# Altium PCB ControlUnit.PcbDoc
Units mil, origin at the board's own origin, x right, y up, seen from the top; angles counter-clockwise.
Board outline 2376.17 x 1539.56 mil, 2 copper layers (Top1, Bottom4), stack 42.17 mil thick; 51 components, 64 nets, 299 pads, 161 vias.
Unrouted connection lines stored in the file: 28.
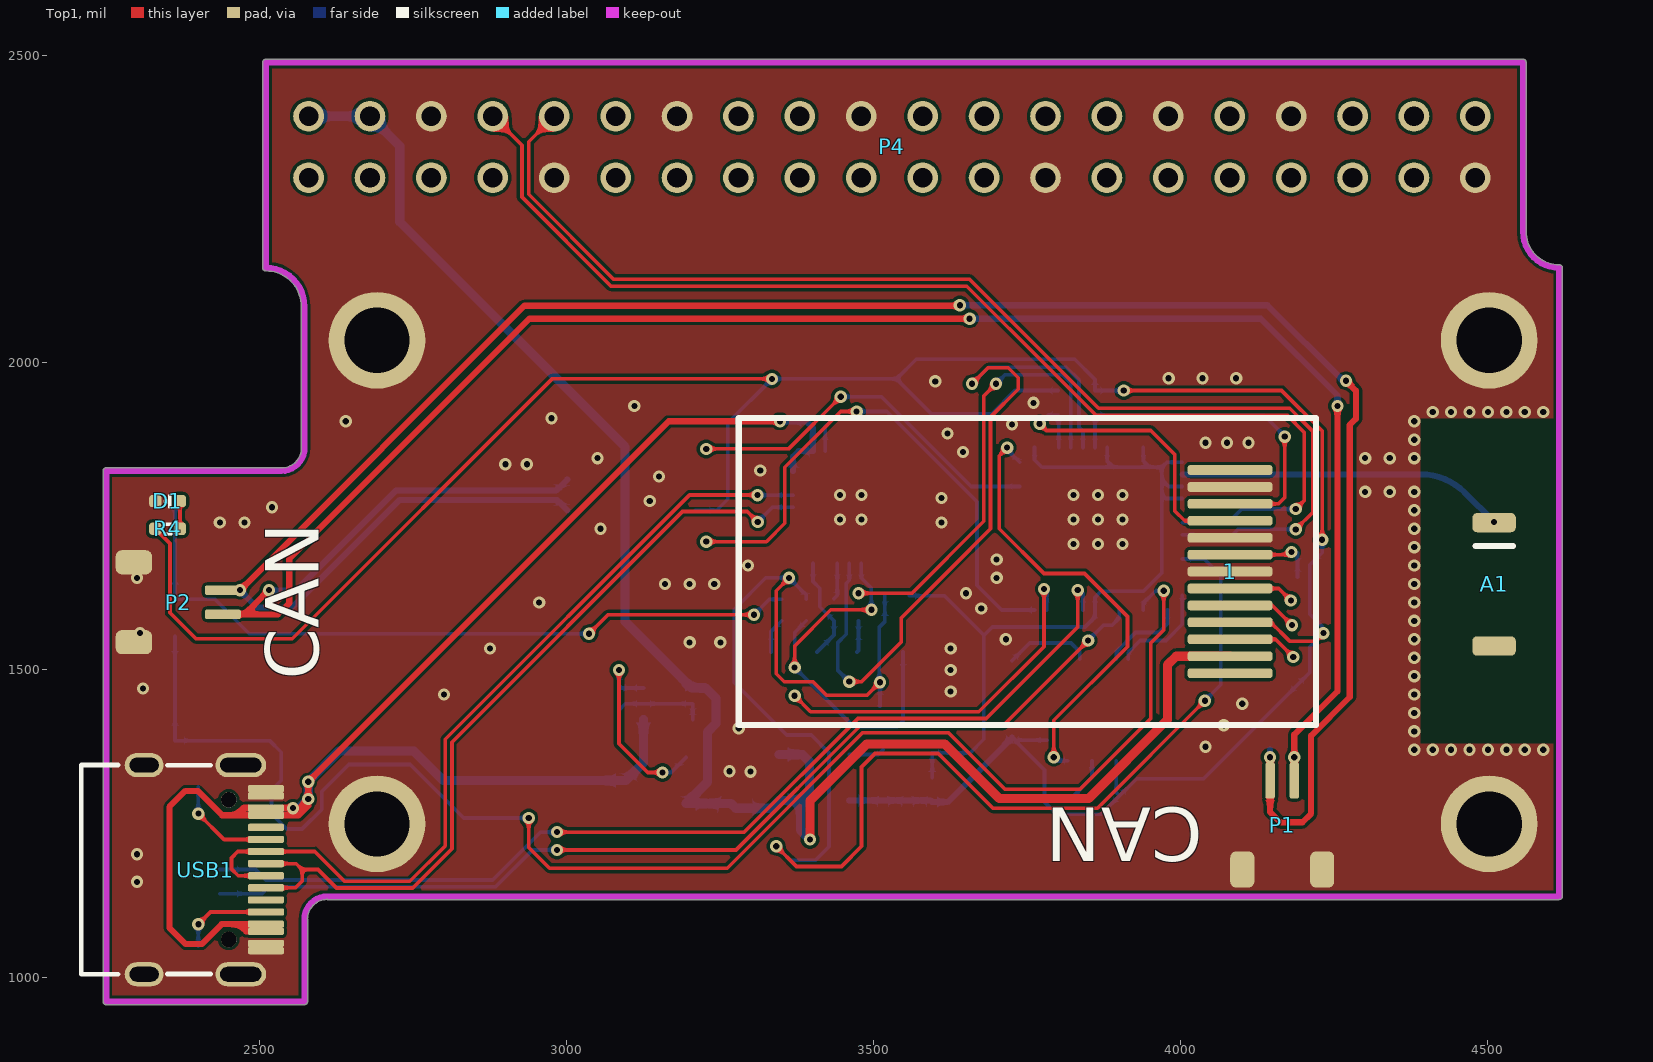
[diagram p0: Top1 view]
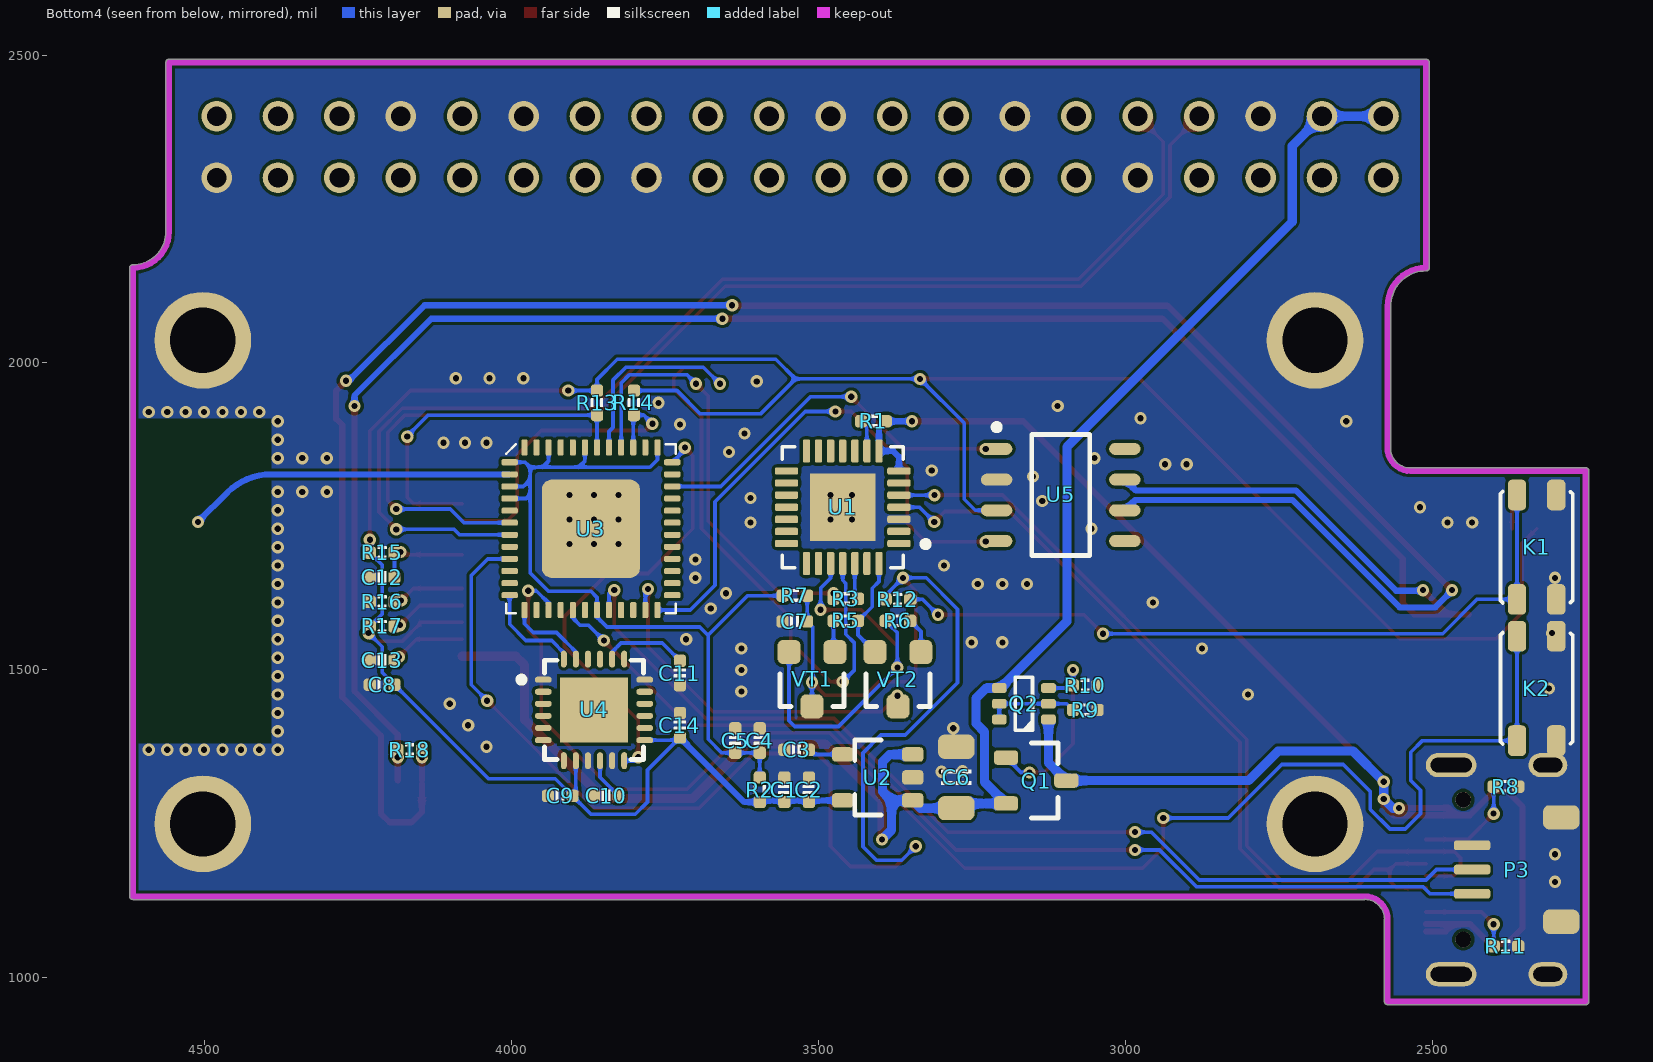
[diagram p1: Bottom4 view, seen from below]
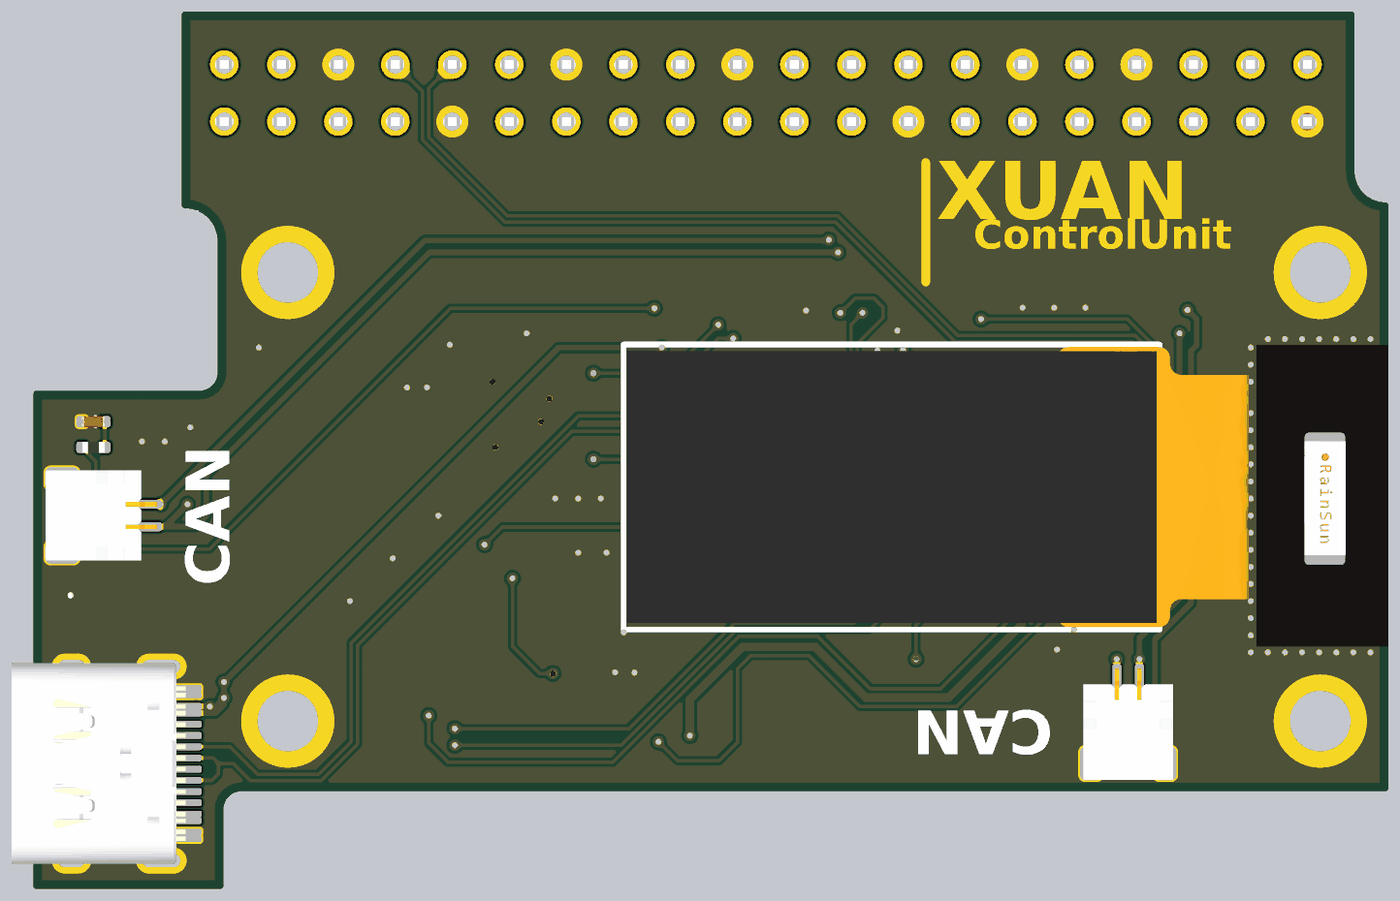
[diagram p2: 3D render of the assembled board from above, using the file's embedded part models]
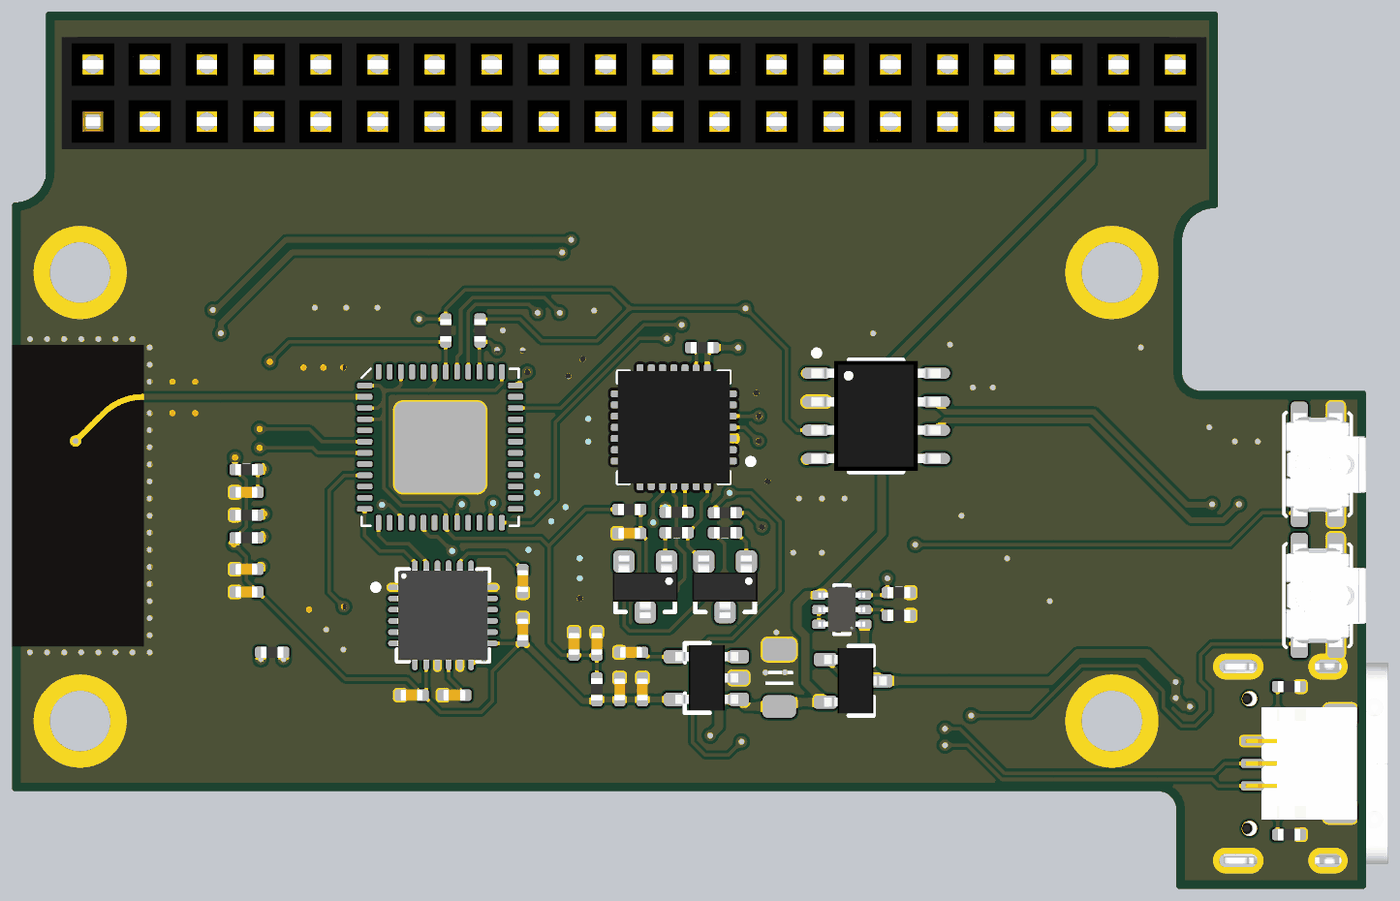
[diagram p3: 3D render of the assembled board from below, using the file's embedded part models]

## Layer stack, top to bottom
Top Solder: solder mask 0.4, Solder Resist, Dk 3.5
Top1: signal copper 1.4
Dielectric 2: core 39.37, PP-006, Dk 4.2
Bottom4: signal copper 1.4
Bottom Solder: solder mask 0.4, Solder Resist, Dk 3.5

## Board outline
2244.98,960 ccw(c2250,960) 2250,954.98 2572.83,954.98 ccw(c2572.83,960) 2577.85,960 2577.85,1094.03 ccw(c2572.83,1094.03) 2577.76,1094.98 cw(c2610.17,1093.93) 2609.11,1126.34 ccw(c2610.06,1131.26) 2610.06,1126.24 4616.14,1126.24 ccw(c4616.14,1131.26) 4621.16,1131.26 4621.16,2154.8 ccw(c4616.14,2154.8) 4616.14,2159.82 cw(c4616.14,2213.86) 4562.1,2213.86 4562.1,2489.53 ccw(c4557.09,2489.53) 4557.09,2494.54 2509.84,2494.54 ccw(c2509.84,2489.53) 2504.83,2489.53 2504.83,2154.88 ccw(c2509.84,2154.88) 2509.84,2149.87 cw(c2509.84,2091.89) 2567.82,2091.89 2567.82,1861.51 ccw(c2572.83,1861.51) 2567.91,1860.54 cw(c2535.5,1861.51) 2536.46,1829.09 ccw(c2535.5,1824.17) 2535.5,1829.19 2250,1829.19 ccw(c2250,1824.17) 2244.98,1824.17

## Design rules (kind name [scope] priority, off if disabled: settings)
Clearance [All] p1: gap=5 ignorepadtopadclearanceinfootprint=FALSE
ComponentClearance [All] p1: gap=0 collisioncheckmode=3 verticalgap=0 showdistances=FALSE
DiffPairsRouting [All] p1: maxlimit=9 minlimit=9 mostfreqgap=9 toplayer_minwidth=4 toplayer_maxwidth=4 toplayer_prefwidth=4 bottomlayer_minwidth=4 bottomlayer_maxwidth=4 bottomlayer_prefwidth=4 maxuncoupledlength=500
FanoutControl Fanout_BGA [All] p1: bgadir=Out bgaviamode=Centered fanoutstyle=Auto fanoutdirection=Alternating viagrid=1 // Fanout_BGA (Default Rule)
HoleSize [All] p1: absolutevalues=TRUE maxlimit=10000 minlimit=8 maxpercent=80.000 minpercent=20.000
MinimumSolderMaskSliver [All] p1 off: minsoldermaskwidth=2
PlaneClearance [All] p1: clearance=8
PlaneConnect [All] p1: planeconnectstyle=Direct reliefexpansion=20 reliefentries=4 reliefconductorwidth=10 reliefairgap=10
PolygonConnect [All] p1: connectstyle=Direct reliefconductorwidth=10 reliefentries=4 polygonreliefangle="90 Angle" airgapwidth=10
RoutingVias [All] p1: holewidth=8 width=16 viastyle="Through Hole" minholewidth=6 minwidth=12 maxholewidth=28 maxwidth=50
SilkToBoardRegionClearance [All] p1 off:
SilkToSilkClearance [All] p1: silktosilkclearance=0
SilkToSolderMaskClearance [IsPad] p1: minsilkscreentomaskgap=0 clearancetoexposedcopper=TRUE
SolderMaskExpansion [All] p1: expansion=3 istentingtop=FALSE
Width [All] p1: maxlimit=10000 minlimit=6 preferedwidth=6
20 further rules are at their usual default settings.

## Components (designator, comment, footprint, x,y, rotation, side; value= is the part's Value field where it differs from the comment)
1 "OLED-12880" OLED-12880 4080,1660.24 r0 top
A1 "RAINSUN" ANT-Rainsun-AN5120 4510,1640 r270 top
C1 "0.1uF" CAP_0402 3555,1305 r270 bottom value=0.1u
C2 "10uF" CAP_0402 3515,1305 r270 bottom value=0.1u
C3 "10nF" CAP_0402 3535,1370 r180 bottom value=0.1u
C4 "10uF" CAP_0402 3595,1385 r270 bottom value=0.1u
C5 "0.1uF" CAP_0402 3635,1385 r270 bottom value=0.1u
C6 "100uF" 1206-CAP 3275,1325 r270 bottom value=0.1u
C7 "1uF" CAP_0402 3538,1579 r0 bottom value=0.1u
C8 "10uF" CAP_0402 4210,1476 r180 bottom value=0.1u
C9 "10nF" CAP_0402 3920,1295 r0 bottom value=0.1u
C10 "0.1uF" CAP_0402 3845,1295 r0 bottom value=0.1u
C11 "2.2nF" CAP_0402 3725,1495 r90 bottom value=0.1u
C12 "10uF" CAP_0402 4210,1651 r180 bottom value=0.1u
C13 "10uF" CAP_0402 4210,1516 r180 bottom value=0.1u
C14 "0.1uF" CAP_0402 3725,1410 r270 bottom value=0.1u
D1 "color?" LED_0402_RED 2350,1775 r180 top
K1 "TACT 4P" ButtonTACT_3.5*3.55_90 2330,1700 r270 bottom locked value=3.4x3.5
K2 "TACT 4P" ButtonTACT_3.5*3.55_90 2330,1470 r270 bottom value=3.4x3.5
P1 "SH1.0-2P" SH1.0-2P 4165,1320 r0 top
P2 "SH1.0-2P" SH1.0-2P 2440,1610.31 r270 top
P3 "SH1.0-3P" SH1.0-3P 2435,1175 r90 bottom
P4 "HDR2x20_2.54" HDR2X20_2.54_180F 2579.53,2301.73 r90 top
Q1 "AO3415A" SOT23-3 3145,1320 r180 bottom
Q2 "BCM856BS" SOT363-6 3165,1445 r0 bottom
R1 "10K" RES_0402 3410,1905 r0 bottom value=22R
R2 "0R" RES_0402 3595,1305 r90 bottom value=22R
R3 "200R" RES_0402 3455,1616 r180 bottom value=22R
R4 "1K" RES_0402 2350,1730 r0 top value=22R
R5 "12K" RES_0402 3455,1580 r0 bottom value=22R
R6 "12K" RES_0402 3370,1580 r180 bottom value=22R
R7 "10K" RES_0402 3538,1621 r180 bottom value=22R
R8 "5.1K" RES_0402 2380,1310 r0 bottom value=22R
R9 "10K/1%" RES_0402 3065,1435 r0 bottom value=22R
R10 "10K/1%" RES_0402 3065,1475 r180 bottom value=22R
R11 "5.1K" RES_0402 2380,1050 r0 bottom value=22R
R12 "1K" RES_0402 3370,1615 r0 bottom value=22R
R13 "10K" RES_0402 3860,1935 r90 bottom value=22R
R14 "10K" RES_0402 3800,1935 r90 bottom value=22R
R15 "10K" RES_0402 4210,1691 r0 bottom value=22R
R16 "560K" RES_0402 4210,1611 r0 bottom value=22R
R17 "4.7K" RES_0402 4210,1571 r0 bottom value=22R
R18 "120R/NC" RES_0402 4165,1370 r180 bottom value=22R
U1 "CP2102" QFN-28 3460,1765 r0 bottom value=Value
U2 "LP2992 3V3" SOT23-5 3405,1325 r0 bottom
U3 "ESP32_SIP" QFN-48_7X7 3870,1730 r180 bottom
U4 "MPU6050" QFN-24 3865,1435 r180 bottom
U5 "SN65HVD232D" SO-8 3105,1785 r180 bottom
USB1 "Type-C" Type-C-TOP 2410.87,1174.8 r180 top
VT1 "S8050" SMT_TRIODE_NPN 3510,1485 r0 bottom
VT2 "S8050" SMT_TRIODE_NPN 3370,1485 r0 bottom

## Footprints (in the part's own frame and the unit in brackets; to place one, negate y for a bottom-side part, rotate by r counter-clockwise, add the part's x,y. Pads: shape width x height; smd on the part's side, far side on the other; paste and mask are expansions set on the pad)
1206-CAP [mm]
  rrect50% 1x1.5 smd: 1(-1.27,0) 2(1.27,0)
  silkscreen extent -0.3,-0.61 0.3,0.61, body extent -1.5,-0.75 1.5,0.75, height 1.5
ANT-Rainsun-AN5120 [mm] "选择焊盘"
  rrect50% 0.8x1.8 smd: 1(-2.54,0) ""(2.563,0)
  silkscreen extent -1.57,-0.76 -1.57,0.79, body extent -2.57,-0.91 2.54,0.94, height 1.32
ButtonTACT_3.5*3.55_90 [mil]
  rrect50% 50x30 smd: 1(-85,32) 2(-85,-32) 3(85,32) 4(85,-32)
  silkscreen extent -91,-59 91,59, body extent -90,-55 91,85, height 56
CAP_0402 [mil]
  rrect50% 20x20 smd: 1(-20,0) 2(20,0)
  silkscreen extent -7,-9 7,9, body extent -20,-10 20,10, height 20
HDR2X20_2.54_180F [mil]
  round 50 hole 32: 1(0,0) 2(100,0) 3(0,-100) 4(100,-100) 5(0,-200) 6(100,-200) 7(0,-300) 8(100,-300) 9(0,-400) 10(100,-400) 11(0,-500) 12(100,-500) 13(0,-600) 14(100,-600) 15(0,-700) 16(100,-700) 17(0,-800) 18(100,-800) 19(0,-900) 20(100,-900) 21(0,-1000) 22(100,-1000) 23(0,-1100) 24(100,-1100) 25(0,-1200) 26(100,-1200) 27(0,-1300) 28(100,-1300) 29(0,-1400) 30(100,-1400) 31(0,-1500) 32(100,-1500) 33(0,-1600) 34(100,-1600) 35(0,-1700) 36(100,-1700) 37(0,-1800) 38(100,-1800) 39(0,-1900) 40(100,-1900)
  body extent -48,-1955 148,55, height 87
LED_0402_RED [mil]
  rrect50% 20x20 smd: 1(-20,0) 2(20,0)
  silkscreen extent -6,-10 6,10, body extent -20,-10 20,10, height 18
OLED-12880 [mm]
  rrect50% 3.5x0.4 smd: 1(0,-4.2) 2(0,-3.5) 3(0,-2.8) 4(0,-2.1) 5(0,-1.4) 6(0,-0.7) 7(0,0) 8(0,0.7) 9(0,1.4) 10(0,2.1) 11(0,2.8) 12(0,3.5) 13(0,4.2)
  silkscreen extent -20.32,-6.35 3.56,6.35, body extent -20.18,-6.25 7.54,6.25, height 1.55
QFN-24 [mm] "QFN, 24-Leads, Body 4.1x4.1mm (max), Pitch 0.50mm, IPC Low Density"
  oval 0.7x0.25 smd: 1(-2.1,1.25) 2(-2.1,0.75) 3(-2.1,0.25) 4(-2.1,-0.25) 5(-2.1,-0.75) 6(-2.1,-1.25) 13(2.1,-1.25) 14(2.1,-0.75) 15(2.1,-0.25) 16(2.1,0.25) 17(2.1,0.75) 18(2.1,1.25)
  oval 0.25x0.7 smd: 7(-1.25,-2.1) 8(-0.75,-2.1) 9(-0.25,-2.1) 10(0.25,-2.1) 11(0.75,-2.1) 12(1.25,-2.1) 19(1.25,2.1) 20(0.75,2.1) 21(0.25,2.1) 22(-0.25,2.1) 23(-0.75,2.1) 24(-1.25,2.1)
  rect 2.8x2.7 smd: ""(0,0)
  silkscreen extent -3.13,-2.05 2.05,2.05, body extent -2.02,-2.02 2.02,2.02, height 0.95
QFN-28 [mil]
  rrect50% 38x12 smd mask+5: 1(-91.5,59.06) 2(-91.5,39.37) 3(-91.5,19.68) 4(-91.5,0) 5(-91.5,-19.69) 6(-91.5,-39.37) 7(-91.5,-59.06) 15(91.5,-59.06) 16(91.5,-39.37) 17(91.5,-19.69) 18(91.5,0) 19(91.5,19.68) 20(91.5,39.37) 21(91.5,59.06)
  rrect50% 12x38 smd mask+5: 8(-59.06,-91.5) 9(-39.37,-91.5) 10(-19.69,-91.5) 11(0,-91.5) 12(19.68,-91.5) 13(39.37,-91.5) 14(59.06,-91.5) 22(59.06,91.5) 23(39.37,91.5) 24(19.68,91.5) 25(0,91.5) 26(-19.69,91.5) 27(-39.37,91.5) 28(-59.06,91.5)
  rect 106.3x110.24 smd: 29(0,0)
  silkscreen extent -140,-98 98,98, body extent -99,-99 98,98, height 35
QFN-48_7X7 [mm]
  rrect50% 0.675x0.25 smd: 1(-3.363,2.75) 2(-3.363,2.25) 3(-3.363,1.75) 4(-3.363,1.25) 5(-3.363,0.75) 6(-3.363,0.25) 7(-3.363,-0.25) 8(-3.363,-0.75) 9(-3.363,-1.25) 10(-3.363,-1.75) 11(-3.363,-2.25) 12(-3.363,-2.75) 25(3.363,-2.75) 26(3.363,-2.25) 27(3.363,-1.75) 28(3.363,-1.25) 29(3.363,-0.75) 30(3.363,-0.25) 31(3.363,0.25) 32(3.363,0.75) 33(3.363,1.25) 34(3.363,1.75) 35(3.363,2.25) 36(3.363,2.75)
  rrect50% 0.25x0.675 smd: 13(-2.75,-3.363) 14(-2.25,-3.363) 15(-1.75,-3.363) 16(-1.25,-3.363) 17(-0.75,-3.363) 18(-0.25,-3.363) 19(0.25,-3.363) 20(0.75,-3.363) 21(1.25,-3.363) 22(1.75,-3.363) 23(2.25,-3.363) 24(2.75,-3.363) 37(2.75,3.363) 38(2.25,3.363) 39(1.75,3.363) 40(1.25,3.363) 41(0.75,3.363) 42(0.25,3.363) 43(-0.25,3.363) 44(-0.75,3.363) 45(-1.25,3.363) 46(-1.75,3.363) 47(-2.25,3.363) 48(-2.75,3.363)
  rrect20% 4.064x4.064 smd: 49(0,0)
  silkscreen extent -3.5,-3.5 3.5,3.5, body extent -3.5,-3.5 3.5,3.5, height 1
RES_0402 [mil]
  rrect50% 20x20 smd: 1(-20,0) 2(20,0)
  silkscreen extent -6,-10 6,10, body extent -20,-10 20,10, height 14
SH1.0-2P [mm]
  rrect50% 0.4x1.5 smd: 1(-0.5,0) 2(0.5,0)
  rrect50% 1x1.5 smd: SH1(-1.651,-3.683) SH2(1.651,-3.683)
  body extent -2,-4.42 2,0.54, height 3.06
SH1.0-3P [mm]
  rrect50% 0.4x1.5 smd: 1(-1,0) 2(0,0) 3(1,0)
  rrect50% 1x1.5 smd: SH1(-2.159,-3.683) SH2(2.159,-3.683)
  body extent -2.5,-4.42 2.5,0.54, height 3.06
SMT_TRIODE_NPN [mm] "Surface mount NPN transistor, package SOT-23"
  rrect50% 0.95x1 smd: 1(-0.95,-1.125) 2(0.95,-1.125) 3(0,1.125)
  silkscreen extent -1.33,-0.22 1.32,1.13, body extent -1.45,-1.4 1.45,1.4, height 1.3
SO-8 [mm]
  oval 1.3x0.5 smd: 1(-2.65,1.905) 2(-2.65,0.635) 3(-2.65,-0.635) 4(-2.65,-1.905) 5(2.65,-1.905) 6(2.65,-0.635) 7(2.65,0.635) 8(2.65,1.905)
  silkscreen extent -2.78,-2.5 1.2,2.93, body extent -2.89,-2.44 2.89,2.46, height 1.45
SOT23-3 [mm] "SOT23, 3-Leads, Body 3.1x3.0mm (max), Pitch 0.95mm, IPC Medium Density"
  rrect50% 1x0.6 smd: 1(-1.246,0.95) 2(-1.246,-0.95) 3(1.246,0)
  silkscreen extent -0.2,-1.55 0.9,1.55, body extent -1.3,-1.45 1.5,1.45, height 1.2
SOT23-5 [mm] "SOT23, 3-Leads, Body 3.1x3.0mm (max), Pitch 0.95mm, IPC Medium Density"
  rrect50% 0.889x0.6 smd: 1(-1.5,0.95) 2(-1.5,0) 3(-1.5,-0.95) 4(1.396,-0.95) 5(1.396,0.95)
  silkscreen extent -0.2,-1.55 0.9,1.55, body extent -1.48,-1.45 1.32,1.45, height 1.2
SOT363-6 [mil]
  rrect50% 24x16 smd: 1(-40,25.59) 2(-40,0) 3(-40,-25.59) 4(40,-25.59) 5(40,0) 6(40,25.59)
  silkscreen extent -14,-43 14,43, body extent -41,-39 41,39, height 37
Type-C-TOP [mm]
  round 0.65 hole 0.65: 0(-0.98,2.89) 0(-0.98,-2.89)
  oval 1.6x1 hole 0.6 slot 1.2 at 0 deg: 1(2.52,4.325) 2(2.52,-4.325)
  oval 2.1x1 hole 0.6 slot 1.7 at 0 deg: 3(-1.48,-4.325) 4(-1.48,4.325)
  rrect50% 1.5x0.3 smd: A1(-2.52,-3.35) A4(-2.52,-2.55) A5(-2.52,-1.25) A6(-2.52,-0.25) A7(-2.52,0.25) A8(-2.52,1.25) A9(-2.52,2.55) A12(-2.52,3.35) B1(-2.52,3.05) B4(-2.52,2.25) B5(-2.52,1.75) B6(-2.52,0.75) B7(-2.52,-0.75) B8(-2.52,-1.75) B9(-2.52,-2.25) B12(-2.52,-3.05)
  silkscreen extent -0.22,-4.33 5.12,4.33, body extent -2.57,-4.48 5.18,4.47, height 3.26

## Part data
A1: library part ANT-Rainsun-AP5120
C1 C2 C3 C4 C5 C7 C8 C9 C10 C11 C12 C13 C14: library part 电容-0402, "Capacitor"
C6: library part 电容-1206, "Capacitor"
D1: library part LED_0402, "LED", Type=0402
K1 K2: library part ButtonTACT, "Button", Type="TACT 4P"
P3 P4: "Header"
Q1: "MOSFET", LatestRevisionDate=17-Jul-2002, LatestRevisionNote="Re-released for DXP Platform.", PackageDescription="TO, Flat Index; 3 In-Line, Axial Leads; Body Dia. 4.6mm; Lead Dia. 0.5 mm (max)", PackageReference=E3, PackageVersion=1995/1996, Published=8-Jun-2000, Publisher="Altium Limited"
Q2: "Transistor"
R1 R2 R3 R4 R5 R6 R7 R8 R9 R10 R11 R12 R13 R14 R15 R16 R17 R18: library part 电阻-0402, "Resistor"
U1: "USB转TTL", MFG #1="SILICON LABS", PART DESC="SINGLE-CHIP USB TO UART BRIDGE, QFN28, RoHS.", PART NUMBER=CP2102, RefDes=RefDes, Type=DEV
U2: library part LP2992, "LDO"
U3: library part ESP32-PICO
U4: "六轴传感器"
U5: Manufacturer="Texas Instruments", Manufacturer Part Number=SN65HVD232DR, Operating Temperature="-40°C ~ 85°C", Package / Case="8-SOIC (0.154\", 3.90mm Width)", Supplier Device Package=8-SOIC, Supplier Part Number 1=296-26344-2-ND, Voltage - Supply="3 V ~ 3.6 V", Category="Integrated Circuits (ICs)", ComponentLink1Description=http://www.ti.com/lit/ds/symlink/sn65hvd230.pdf, ComponentLink1URL=http://www.ti.com/lit/ds/symlink/sn65hvd230.pdf, Data Rate=1Mbps, Duplex=Half, Mounting Type="Surface Mount", Number of Drivers/Receivers=1/1, Packaging="Tape & Reel (TR)", Part Status=Active, Pricing 1="2500=0.84375 (USD)", Pricing 2="1=2.05, 10=1.842, 100=1.4809, 500=1.21668, 1000=1.00811 (USD)", Protocol=CAN, RoHS="RoHS Compliant", Stock=5000, Supplier 1=Digi-Key, Supplier 2=Digi-Key, Supplier Part Number 2=296-26344-1-ND, Type=Transceiver
USB1: library part USB-Type-C-TOP
VT1 VT2: library part SMT_TRIODE_NPN, "Surface mount NPN transistor, package SOT-23"

## Free pads (board coordinates)
  round 157.48 hole 106.3: ""(2690.94,1249.37) ""(2690.94,2036.77) ""(4501.97,1249.37) ""(4501.97,2036.77)

## Via types
v1: diameter 20, hole 10, Top1 to Bottom4, tented both sides, 161 vias

## Nets (pads, with @x,y where several pads share a name; then routed paths per layer and width w, separated by ;. In a path a pad name is that pad's centre, name@x,y a point inside that pad or via, vN(x,y) a via of type N, cw(c..) or ccw(c..) an arc to the next point about the centre after c; other vN are vias at no path point)
3V3A: C4.2 C5.2 R2.2 R7.1 U3.1 U3.3 U3.4 U3.19 U3.37 U3.43 U3.46 | length 1389.9
  Bottom4 w6: R7.1 3615,1621 3679.5,1556.5 ; R2.2 C4.2 C5.2 3657,1365 3679,1387 3679,1556 3693,1570 3844,1570 3860.16,1586.16 U3.19 3860.16,1618.16 3870,1628 3939,1628 3969,1658 3969,1786 ; U3.37 3761.73,1842.27 3774,1830 3890,1830 ; U3.43 3879.84,1840.16 3890,1830 ; U3.46 3938.9,1840.1 3949,1830 ; U3.4 3975.79,1779.21 3969,1786 ; U3.3 3980.1,1798.9 3969,1810 ; U3.1 3977.27,1838.27 3969,1830 ; 3890,1830 3949,1830 ; 3949,1830 3969,1830 ; 3969,1786 3969,1810 ; 3969,1810 3969,1830
CAN_H: P1.2 P2.2 R18.1 U5.7 | length 3402.9
  Top1 w10: P2.2 2475.63,1590.63 ; v1(2515,1630) 2475.63,1590.63 ; v1(3656,2072) 2939,2072 2548,1681 2548,1609 2529.63,1590.63 2475.63,1590.63 ; P1.2 v1(4184.69,1358) ; v1@4184.69,1353 4184.69,1394.69 4255,1465 v1(4255,1930)
  Bottom4 w10: v1(2515,1630) 2516,1629 2558.79,1629 2721.79,1792 2982.67,1792 U5.7 ; v1(3656,2072) 4130,2072 4255,1947 v1(4255,1930) ; v1@4184.69,1353 R18.1@4184.69,1369.69
CAN_L: P1.1 P2.1 R18.2 U5.6 | length 3591.2
  Top1 w10: v1(2468,1630) 2931,2093 3639,2093 v1(3640,2094) ; v1(4145,1358) 4145.31,1357.69 P1.1 ; P1.1@4145.31,1315 4145.31,1268.69 4162,1252 4198,1252 4212,1266 4212,1393 4275,1456 4275,1899 4285,1909 4285,1955 v1(4269,1971)
  Bottom4 w10: v1(2468,1630) 2468,1629 2495,1602 2553,1602 2728,1777 2983.67,1777 U5.6 ; v1(3640,2094) 4141,2094 4264,1971 v1(4269,1971) ; v1@4145,1353 R18.2
CAN_Rx: U3.24 U5.4 | length 889.5
  Top1 w6: v1(3227,1709) 3325,1709 3355,1739 3355,1830 3446,1921 v1(3472,1921)
  Bottom4 w6: v1(3472,1921) 3521,1921 3668,1774 3668,1638 3708.38,1597.62 U3.24
CAN_Tx: U3.34 U5.1 | length 606.3
  Top1 w6: v1(3227,1860) 3361,1860 v1(3446,1945)
  Bottom4 w6: v1(3446,1945) 3512.56,1945 3658.66,1798.9 U3.34
CP_Rx: U1.25 U3.41 | length 1227.4
  Top1 w6: v1(3460,1481) 3480,1481 3544.5,1545.5 3544.5,1584.5 3623,1663 3690,1730 3690,1912 3735,1957 3735,1976 3719,1992 3686,1992 v1(3660,1966)
  Bottom4 w6: v1(3460,1481) 3441,1500 3441,1544 3455,1558 3455,1641 3460,1646 U1.25 ; v1(3660,1966) 3687,1993 3813,1993 3834,1972 3834,1895 3840.47,1888.53 U3.41
CP_Tx: R3.1 U3.40 | length 723.3
  Top1 w6: v1(3475,1625) 3562,1625 3679,1742 3679,1946 v1(3699,1966)
  Bottom4 w6: v1(3699,1966) 3714,1981 3807,1981 3820.79,1967.21 U3.40
Ctrl_Rx: P3.1 U3.17 | length 1663.6
  Top1 w6: v1(2984,1207) 3275.56,1207 3478.56,1410 3711,1410 v1(3849,1548)
  Bottom4 w6: P3.1 2503.63,1135.63 2515,1147 2884,1147 2944,1207 v1(2984,1207) ; v1(3849,1548) 3874,1573 3888,1573 3899.53,1584.53 U3.17
Ctrl_Tx: P3.2 U3.20 | length 1672.3
  Top1 w6: v1(2984,1236) 3289,1236 3474,1421 3683,1421 3832,1570 v1(3832,1630)
  Bottom4 w6: P3.2 2493,1175 2510,1158 2879.44,1158 2957.44,1236 v1(2984,1236) ; v1(3832,1630) 3835,1630 3840.47,1624.53 U3.20
DTR: R5.1 U1.28 VT2.2 | length 169.7
  Bottom4 w6: U1.28 3400.94,1644.06 3412,1633 3412,1603 R5.1 3435,1556.89 VT2.2
EN: C7.1 R7.2 R12.2 U3.9 VT1.3 | length 2539.2
  Top1 w6: v1(3341,1213) 3374,1180 3447.23,1180 3480,1212.77 3480,1342 3502,1364 3605,1364 3694,1275 3864,1275 v1(4039,1450) ; v1(3362,1650) 3341,1629 3341,1494 3354,1481 3401,1481 3423,1459 3489,1459 v1(3510,1480)
  Bottom4 w6: v1(3341,1213) 3364,1190 3405,1190 3427,1212 3427,1365 3398,1394 3358,1394 3273,1479 3273,1599 3324,1650 v1(3362,1650) 3390,1622 R12.2 ; VT1.3 3509,1441.71 3510,1442.71 v1(3510,1480) 3509,1481 3509,1570 C7.1 R7.2 ; U3.9 4038.21,1680.79 4065,1654 4065,1476 v1(4039,1450)
FLASH_CLK: U3.31
FLASH_CS: U3.25
FLASH_SD0: U3.27
FLASH_SD1: U3.33
FLASH_SD2: U3.30
FLASH_SD3: U3.32
GND: 1.7 1.9 1.12 C1.1 C2.1 C3.1 C4.1 C5.1 C6.1 C7.2 C8.1 C9.2 C10.2 C11.1 C12.1 C13.1 C14.1 D1.2 K1.1 K1.3 K2.1 K2.3 P1.SH1 P1.SH2 P2.SH1 P2.SH2 P3.3 P3.SH1 P3.SH2 P4.6 P4.9 P4.14 P4.20 P4.25 P4.30 P4.34 P4.39 pad. R8.1 R9.1 R10.2 R11.1 R16.2 U1.3 U1.29 U2.2 U3.49 U4.1 U4.9 U4.11 U4.18 U5.2 USB1.1 USB1.2 USB1.3 USB1.4 USB1.A1 USB1.A12 USB1.B1 USB1.B12
  other v1: 2300,1155 2300,1200 3299,1334.5 3265,1335 4380,1370 4410,1370 4440,1370 4470,1370 4500,1370 4530,1370 4560,1370 4590,1370 4040,1375 4380,1400 3280,1405 4070,1410 4380,1430 4100,1445 2800,1460 4380,1460 3625,1465 2310,1470 4380,1490 3625,1500 4380,1520 2875,1535 3625,1535 3200,1545 3250,1545 3715,1550 4380,1550 2305,1560 4380,1580 3675,1600 2955,1610 4380,1610 3650,1625 3160,1640 3200,1640 3240,1640 4380,1640 2300,1650 3700,1650 3295,1670 4380,1670 3700,1680 4380,1700 3825,1705 3865,1705 3905,1705 3055,1730 4380,1730 2435,1740 2475,1740 3610,1740 3445,1745 3480,1745 3825,1745 3865,1745 3905,1745 4380,1760 2520,1765 3135,1775 3610,1780 3445,1785 3480,1785 3825,1785 3865,1785 3905,1785 4300,1790 4340,1790 4380,1790 3150,1815 3315,1825 2900,1835 2935,1835 3050,1845 4300,1845 4340,1845 4380,1845 3645,1855 4040,1870 4075,1870 4110,1870 4380,1875 3620,1885 3725,1900 2640,1905 4380,1905 2975,1910 4410,1920 4440,1920 4470,1920 4500,1920 4530,1920 4560,1920 4590,1920 3110,1930 3760,1935 3600,1970 3980,1975 4035,1975 4090,1975
GPIO0: U3.23 VT2.3 | length 590.9
  Top1 w6: v1(3371,1458) 3397,1432 3671,1432 3777,1538 v1(3777,1632)
  Bottom4 w6: v1(3777,1632) 3781.42,1627.58 U3.23
GPIO2: U3.22
GPIO9: U3.28
GPIO10: U3.29
GPIO12: U3.18
GPIO15: U3.21
GPIO18: U3.35
GPIO19: U3.38
GPIO21: 1.11 R13.1 U3.42 | length 568.9
  Top1 w6: 1.11 4158.47,1770.47 4169,1781 v1(4169,1880)
  Bottom4 w6: R13.1 4135,1915 4169,1881 v1(4169,1880) ; U3.42 R13.1@3860.16,1914.84
GPIO22: 1.10 R14.1 U3.39 | length 518.2
  Top1 w6: v1(3770,1901) 3781,1890 3951,1890 3990,1851 3990,1759 4006.09,1742.91 1.10
  Bottom4 w6: v1(3770,1901) 3784,1915 R14.1 3801.1,1913.9 U3.39
GPIO23: U3.36 U4.12 | length 741.7
  Top1 w6: v1(3717,1862) 3704,1849 3704,1730 3777,1657 3843,1657 3913,1587 3913,1538 3793,1418 v1(3793,1358)
  Bottom4 w6: v1(3717,1862) 3717,1858.89 U3.36 ; v1(3793,1358) 3798.68,1352.32 U4.12
GPIO25: U3.14
GPIO26: K2.2 K2.4 U3.15 | length 2505.1
  Top1 w6: v1(2938,1259) 2938,1211 2972,1177 3261.11,1177 3482.11,1398 3621,1398 3713,1306 3836,1306 3951,1421 3951,1544 3972,1565 v1(3972,1629)
  Bottom4 w6: K2.2 K2.4 2516,1385 2535,1366 2535,1320 2519,1304 2519,1266 2544,1241 2569,1241 2601,1273 2601,1302 2645,1346 2745,1346 2832,1259 v1(2938,1259) ; U3.15 3938.9,1608.9 3959,1629 v1(3972,1629)
GPIO27: U3.16
GPIO32: U3.12 U4.24 | length 165.2
  Bottom4 w6: U4.24 3914.21,1528.21 3934,1548 3976,1548 4002.38,1574.38 U3.12
GPIO33: U3.13 U4.23 | length 136.9
  Bottom4 w6: U4.23 3894.53,1529.53 3926,1561 3964,1561 3978.27,1575.27 U3.13
GPIO34: U3.10
GPIO35: U3.11
GPIO37: P4.8 U3.6 | length 1908.6
  Top1 w6: P4.8 2927,2354.26 2927,2270 3072,2125 3651.44,2125 3788,1988.44 3861.44,1915 4172.89,1915 4201,1886.89 4201,1776 v1(4187,1762)
  Bottom4 w6: U3.6 4076.84,1739.84 4099,1762 v1(4187,1762)
GPIO38: P4.10 U3.7 | length 1940.6
  Top1 w6: P4.10 2938,2360.2 2938,2274.56 3076.56,2136 3656,2136 3866,1926 4177.44,1926 4215,1888.44 4215,1757 v1(4187,1729)
  Bottom4 w6: U3.7 4084.16,1720.16 4093,1729 v1(4187,1729)
Net1_3: 1.3 C13.2 | length 115
  Top1 w6: 1.3 4154,1550 v1(4183,1521)
Net1_5: 1.5 R17.1 | length 114.3
  Top1 w6: 1.5 4148.88,1605.12 v1(4181,1573)
Net1_6: 1.6 R16.1 | length 107.2
  Top1 w6: 1.6 4159.32,1632.68 v1(4179,1613)
Net1_8: 1.8 C12.2 R15.1 | length 141.7
  Top1 w6: 1.8 4175.8,1687.8 v1(4180,1692)
  Bottom4 w6: C12.2 R15.1
NetA1_1: A1.1 U3.2 | length 535.5
  Bottom4 w10: U3.2 4391,1818.58 cw(c4391,1718.58) 4461.71,1789.29 v1(4510,1741)
NetC3_2: C3.2 U2.4 | length 58.2
  Bottom4 w6: U2.4 3507.4,1362.4 C3.2
NetC10_1: C10.1 U4.10 | length 69.8
  Bottom4 w6: C10.1 3855.16,1325.16 U4.10
NetC11_2: C11.2 U4.20 | length 140.3
  Bottom4 w6: C11.2 3754,1544 3821,1544 3835.47,1529.53 U4.20
NetD1_1: D1.1 R4.2 | length 45
  Top1 w6: R4.2 D1.1
NetK1_2: K1.2 K1.4 R12.1 | length 1204.4
  Top1 w6: v1(3036,1559) 3067,1590 v1(3305,1590)
  Bottom4 w6: K1.2 K1.4 2427,1615 2483,1559 v1(3036,1559) ; v1(3305,1590) 3330,1615 R12.1
NetQ1_1: Q1.1 Q2.3 R10.1 | length 325.5
  Top1 w6: v1(3085,1500) 3085,1380 3132,1333 v1(3156,1333)
  Bottom4 w6: v1(3085,1500) R10.1 3089.41,1470.59 Q2.3 ; v1(3156,1333) 3169.65,1333 Q1.1
NetQ2_2: Q2.2 Q2.5 Q2.6 R9.2 | length 149.7
  Bottom4 w6: R9.2 3095,1445 Q2.2 Q2.5 Q2.6
NetR1_2: R1.2 U1.9 | length 52.4
  Bottom4 w6: U1.9 3420.63,1895.63 R1.2
NetR3_2: R3.2 U1.26 | length 59.7
  Bottom4 w6: R3.2 3440.31,1621.32 U1.26
NetR5_2: R5.2 VT1.1 | length 51.7
  Bottom4 w6: VT1.1 3475,1531.69 R5.2
NetR6_2: R6.2 VT2.1 | length 57.9
  Bottom4 w6: VT2.1 3332.6,1562.6 R6.2
NetR8_2: R8.2 USB1.A5 | length 171.5
  Top1 w6: v1(2400,1266) 2441.98,1224.02 USB1.A5
  Bottom4 w6: v1(2400,1266) R8.2
NetR11_2: R11.2 USB1.B5 | length 154.3
  Top1 w6: v1(2400,1086) 2419.91,1105.91 USB1.B5
  Bottom4 w6: R11.2 v1(2400,1086)
RTS: R6.1 U1.24 VT1.2 | length 682.5
  Top1 w6: v1(3371,1504) 3371,1539 3430,1598 v1(3496,1598)
  Bottom4 w6: R6.1 3371,1561 v1(3371,1504) 3467,1408 3538,1408 3547.4,1417.4 VT1.2 ; U1.24 3479.69,1649.32 3496,1633 v1(3496,1598)
SENSOR_VN: U3.8
SENSOR_VP: U3.5
USB-PWR-DM: U1.5 USB1.A7 USB1.B7 | length 1378.9
  Top1 w6: USB1.A7 2465.04,1164.96 2454,1176 2454,1194 2464.33,1204.33 USB1.B7 2589.67,1204.33 2638,1156 2744.44,1156 2802,1213.56 2802,1387 3200,1785 v1@3310,1785
  Bottom4 w6: v1(3310.69,1784.69) U1.5
USB-PWR-DP: U1.4 USB1.A6 USB1.B6 | length 1329.7
  Top1 w6: USB1.B6 2558.28,1145.28 2569,1156 2569,1175 ; USB1.A6 2559.35,1184.65 2569,1175 ; v1(3311,1741) 3294,1758 3188.56,1758 2813,1382.44 2813,1209 2749,1145 2625,1145 2595,1175 2569,1175
  Bottom4 w6: v1(3311,1741) 3335,1765 U1.4
VBUS: Q1.3 Q2.1 R1.1 U1.7 U1.8 USB1.A4 USB1.A9 USB1.B4 USB1.B9 | length 2749.5
  Top1 w10: USB1.A9 2477.81,1074.41 2466,1086.22 ; USB1.B4 2466,1086.22 ; v1(3347,1905) 3166,1905 v1(2579,1318) v1(2579,1290) ; 2461.39,1263.39 2473.2,1275.2 USB1.A4 2564.2,1275.2 v1(2579,1290) ; 2461.39,1263.39 2438.61,1263.39 2399,1303 2379,1303 2353,1277 2353,1080 2379,1054 2406,1054 2438.22,1086.22 2466,1086.22 ; 2461.39,1263.39 USB1.B9 2563.39,1263.39 2579,1279 v1(2579,1290)
  Bottom4 w10: v1(3347,1905) R1.1 3400.94,1894.06 U1.8 3377.5,1856.5 3368.5,1847.5 U1.7
  Bottom4 w15: v1(2554,1275) 2564,1275 v1(2579,1290) v1(2579,1318) 2629,1368 2751,1368 2799,1320 Q1.3 3125,1349.06 Q2.1
VCC_3V3: 1.4 C1.2 C2.2 C8.2 C9.1 C14.2 R2.1 R4.1 R13.2 R14.2 R15.2 R17.2 U2.5 U4.8 U4.13 U5.3 | length 4539.1
  Top1 w6: R4.1 2354,1706 2354,1593 2396,1551 2553,1551 2976,1974 v1(3334,1974) ; v1(3907,1955) 4164,1955 4230,1889 v1(4230,1712) ; 1.4 4146.44,1577.56 4177,1547 4219,1547 v1(4232,1560)
  Bottom4 w6: U5.3 3244,1760 3262,1778 3262,1902 v1(3334,1974) 3537,1974 ; C14.2 C14.2@3729.21,1385.79 ; U4.13 C14.2@3729.21,1385.79 ; R14.2 3730,1955 3692,1917 3594,1917 3537,1974 ; U4.8 3894.53,1300.47 C9.1 ; v1(3907,1955) R13.2 3860,1973 3827,2006 3569,2006 3537,1974 ; R17.2 4210,1591 4210,1671 R15.2 v1(4230,1712) ; v1(4232,1560) 4210,1538 4210,1496 C8.2 4037,1323 3928,1323 C9.1 ; C14.2@3729.21,1385.79 3778,1337 3778,1285 3798,1265 3870,1265 C9.1
  Bottom4 w10: U2.5 3592.4,1287.6 R2.1 3620,1285 C14.2
VCC_5V: 1.2 C6.2 P4.2 P4.4 Q1.2 Q2.4 U2.1 U2.3 | length 2844.7
  Top1 w15: v1(3396,1224) 3396,1287 3488.5,1379.5 3615.5,1379.5 3704.5,1290.5 3849.58,1290.5 3978,1418.92 3978,1508 3992.44,1522.44 1.2
  Bottom4 w15: P4.2 P4.4 2728,2353.26 2728,2230 3095,1863 3095,1579 3203.41,1470.59 Q2.4 3226.41,1470.59 3243,1454 3243,1413 3229,1399 3229,1317.54 Q1.2 3267.4,1282.6 C6.2 3333.34,1275 U2.1 3380.6,1287.6 ; U2.3 3383.6,1362.4 3395,1351 3395,1302 3380.6,1287.6 ; v1(3396,1224) 3380.6,1239.4 3380.6,1287.6
pads on no net: 1.1 1.13 A1. P4.1 P4.3 P4.5 P4.7 P4.11 P4.12 P4.13 P4.15 P4.16 P4.17 P4.18 P4.19 P4.21 P4.22 P4.23 P4.24 P4.26 P4.27 P4.28 P4.29 P4.31 P4.32 P4.33 P4.35 P4.36 P4.37 P4.38 P4.40 U1.1 U1.2 U1.6 U1.10 U1.11 U1.12 U1.13 U1.14 U1.15 U1.16 U1.17 U1.18 U1.19 U1.20 U1.21 U1.22 U1.23 U1.27 U3.26 U3.44 U3.45 U3.47 U3.48 U4. U4.2 U4.3 U4.4 U4.5 U4.6 U4.7 U4.14 U4.15 U4.16 U4.17 U4.19 U4.21 U4.22 U5.5 U5.8 USB1.0 USB1.A8 USB1.B8

## Polygon pours and split planes (outlines as drawn)
GND on Bottom4 "GND_L02_P000" (solid, remove dead copper, pour order 0): 2210,2525 4660,2525 4660,925 2210,925
GND on Top1 "GND_L01_P001" (solid, remove dead copper, pour order 1): 2210,2525 4660,2525 4660,925 2210,925

## Keep-outs
Keep-Out Layer:
  lines w10: 2535.5,1824.07 ccw(c2535.5,1861.51) 2572.94,1861.51 ; 2535.5,1824.17 2250,1824.17 2250,960 2572.83,960 2572.83,1094.03 ; 2572.73,1093.93 cw(c2610.17,1093.93) 2610.17,1131.37 ; 2572.83,1861.51 2572.83,2091.89 ccw(c2509.84,2091.89) 2509.84,2154.88 ; 2610.06,1131.26 4616.14,1131.26 4616.14,2154.8 cw(c4616.14,2213.86) 4557.09,2213.86 4557.09,2489.53 2509.84,2489.53 ; 2509.84,2154.88 2509.84,2489.53 ; 2509.84,2154.88 2509.84,2489.53

## Other copper
Top1:
  pour cut-out: 4700,1910 4390,1910 4390,1380 4700,1380
Bottom4:
  pour cut-out: 4700,1910 4390,1910 4390,1380 4700,1380

## Silkscreen, mask and mechanical layers (free items; w line width, h text height)
Top Overlay:
  text "CAN" at 2625.04,1484.37 h150 r90
  text "CAN" at 4035.63,1305.04 h150 r180
Top Solder:
  rectangle: 4390,1380 4700,1910
  lines w15: 3810,2020 3810,2230
  text "XUAN" at 3846.57,2101.05 h200
  text "ControlUnit" at 3839.44,1983.18 h100
Bottom Solder:
  rectangle: 4390,1380 4700,1910
Mechanical 1:
  lines w10: 2535.5,1824.07 ccw(c2535.5,1861.51) 2572.94,1861.51 ; 2535.5,1824.17 2250,1824.17 2250,960 2572.83,960 2572.83,1094.03 ; 2572.73,1093.93 cw(c2610.17,1093.93) 2610.17,1131.37 ; 2572.83,1861.51 2572.83,2091.89 ccw(c2509.84,2091.89) 2509.84,2154.88 ; 2610.06,1131.26 4616.14,1131.26 4616.14,2154.8 cw(c4616.14,2213.86) 4557.09,2213.86 4557.09,2489.53 2509.84,2489.53 ; 2509.84,2154.88 2509.84,2489.53 ; 2509.84,2154.88 2509.84,2489.53
Drill Drawing:
  circle w10: c2230.63,3842.28 r33.33
  lines w10: 2197.29,3208.94 2263.96,3208.94 2263.96,3275.61 2197.29,3275.61 2197.29,3208.94 ; 2197.29,3358.94 2230.63,3375.61 2263.96,3358.94 2247.29,3392.28 2263.96,3425.61 2230.63,3408.94 2197.29,3425.61 2213.96,3392.28 2197.29,3358.94 ; 2197.29,3525.61 2213.96,3525.61 2213.96,3508.94 2247.29,3508.94 2247.29,3525.61 2263.96,3525.61 2263.96,3558.94 2247.29,3558.94 2247.29,3575.61 2213.96,3575.61 2213.96,3558.94 2197.29,3558.94 2197.29,3525.61 ; 2197.29,3675.61 2213.96,3675.61 2230.63,3658.94 2247.29,3675.61 2263.96,3675.61 2247.29,3692.28 2263.96,3708.94 2247.29,3708.94 2230.63,3725.61 2213.96,3708.94 2197.29,3708.94 2213.96,3692.28 2197.29,3675.61 ; 2197.29,4025.61 2263.96,4025.61 2230.63,3958.94 2197.29,4025.61
  lines w15: 2137.5,3163.94 15395.78,3163.94 ; 2137.5,4063.94 15395.78,4063.94 ; 2688.38,3013.94 2688.38,4213.94 ; 3278.22,3013.94 3278.22,4213.94 ; 4427.88,3013.94 4427.88,4213.94 ; 4933.76,3013.94 4933.76,4213.94 ; 5667.56,3013.94 5667.56,4213.94 ; 6857.22,3013.94 6857.22,4213.94 ; 7447.06,3013.94 7447.06,4213.94 ; 8192.86,3013.94 8192.86,4213.94 ; 9382.51,3013.94 9382.51,4213.94 ; 10236.28,3013.94 10236.28,4213.94 ; 11569.88,3013.94 11569.88,4213.94 ; 12903.49,3013.94 12903.49,4213.94 ; 13993.18,3013.94 13993.18,4213.94 ; 2137.5,3013.94 15395.78,3013.94 15395.78,4213.94 2137.5,4213.94 2137.5,3013.94
  text "Symbol" at 2227.5,4108.94 h72
  text "Count" at 2733.38,4108.94 h72
  text "Hole Size" at 3323.22,4108.94 h72
  text "Plated" at 4472.88,4108.94 h72
  text "Hole Type" at 4978.76,4108.94 h72
  text "Drill Layer Pair" at 5712.56,4108.94 h72
  text "Via/Pad" at 6902.22,4108.94 h72
  text "Pad Shape" at 7492.06,4108.94 h72
  text "Template" at 8237.86,4108.94 h72
  text "Description" at 9427.51,4108.94 h72
  text "Hole Tolerance (+)" at 10281.28,4108.94 h72
  text "Hole Tolerance (-)" at 11614.88,4108.94 h72
  text "Hole Length" at 12948.49,4108.94 h72
  text "Routed Path Length" at 14038.18,4108.94 h72
  text "2" at 2733.38,3958.94 h60
  text "23.62mil (0.600mm)" at 3323.22,3958.94 h60
  text "PTH" at 4472.88,3958.94 h60
  text "Slot" at 4978.76,3958.94 h60
  text "Top1 - Bottom4" at 5712.56,3958.94 h60
  text "Pad" at 6902.22,3958.94 h60
  text "Rounded" at 7492.06,3958.94 h60
  text "r160_100h60_120r100" at 8237.86,3958.94 h60
  text "47.24mil (1.200mm)" at 12948.49,3958.94 h60
  text "23.62mil (0.600mm)" at 14038.18,3958.94 h60
  text "2" at 2733.38,3808.94 h60
  text "23.62mil (0.600mm)" at 3323.22,3808.94 h60
  text "PTH" at 4472.88,3808.94 h60
  text "Slot" at 4978.76,3808.94 h60
  text "Top1 - Bottom4" at 5712.56,3808.94 h60
  text "Pad" at 6902.22,3808.94 h60
  text "Rounded" at 7492.06,3808.94 h60
  text "r210_100h60_170r100" at 8237.86,3808.94 h60
  text "66.93mil (1.700mm)" at 12948.49,3808.94 h60
  text "43.31mil (1.100mm)" at 14038.18,3808.94 h60
  text "2" at 2733.38,3658.94 h60
  text "25.59mil (0.650mm)" at 3323.22,3658.94 h60
  text "PTH" at 4472.88,3658.94 h60
  text "Round" at 4978.76,3658.94 h60
  text "Top1 - Bottom4" at 5712.56,3658.94 h60
  text "Pad" at 6902.22,3658.94 h60
  text "Rounded" at 7492.06,3658.94 h60
  text "c65h65" at 8237.86,3658.94 h60
  text "-" at 12948.49,3658.94 h60
  text "-" at 14038.18,3658.94 h60
  text "4" at 2733.38,3508.94 h60
  text "106.30mil (2.700mm)" at 3323.22,3508.94 h60
  text "PTH" at 4472.88,3508.94 h60
  text "Round" at 4978.76,3508.94 h60
  text "Top1 - Bottom4" at 5712.56,3508.94 h60
  text "Pad" at 6902.22,3508.94 h60
  text "Rounded" at 7492.06,3508.94 h60
  text "c400h270" at 8237.86,3508.94 h60
  text "-" at 12948.49,3508.94 h60
  text "-" at 14038.18,3508.94 h60
  text "40" at 2733.38,3358.94 h60
  text "32.00mil (0.813mm)" at 3323.22,3358.94 h60
  text "PTH" at 4472.88,3358.94 h60
  text "Round" at 4978.76,3358.94 h60
  text "Top1 - Bottom4" at 5712.56,3358.94 h60
  text "Pad" at 6902.22,3358.94 h60
  text "Rounded" at 7492.06,3358.94 h60
  text "c127h81" at 8237.86,3358.94 h60
  text "-" at 12948.49,3358.94 h60
  text "-" at 14038.18,3358.94 h60
  text "164" at 2733.38,3208.94 h60
  text "10.00mil (0.254mm)" at 3323.22,3208.94 h60
  text "PTH" at 4472.88,3208.94 h60
  text "Round" at 4978.76,3208.94 h60
  text "Top1 - Bottom4" at 5712.56,3208.94 h60
  text "Via" at 6902.22,3208.94 h60
  text "Rounded" at 7492.06,3208.94 h60
  text "v51h25m0mx0" at 8237.86,3208.94 h60
  text "-" at 12948.49,3208.94 h60
  text "-" at 14038.18,3208.94 h60
  text "214 Total" at 2733.38,3058.94 h60
  text "Slot definitions :" at 2227.5,2913.97 h60
  text "Routed Path Length" at 3260.19,2913.97 h60
  text "= Calculated from tool start centre position to tool end centre position." at 4362.86,2913.97 h60
  text "Hole Length" at 3260.19,2813.99 h60
  text "= Routed Path Length + Tool Size = Slot length as defined in the PCB layout" at 3952.99,2813.99 h60